# KiCad board leafony-az01c-panelized.kicad_pcb (continued)
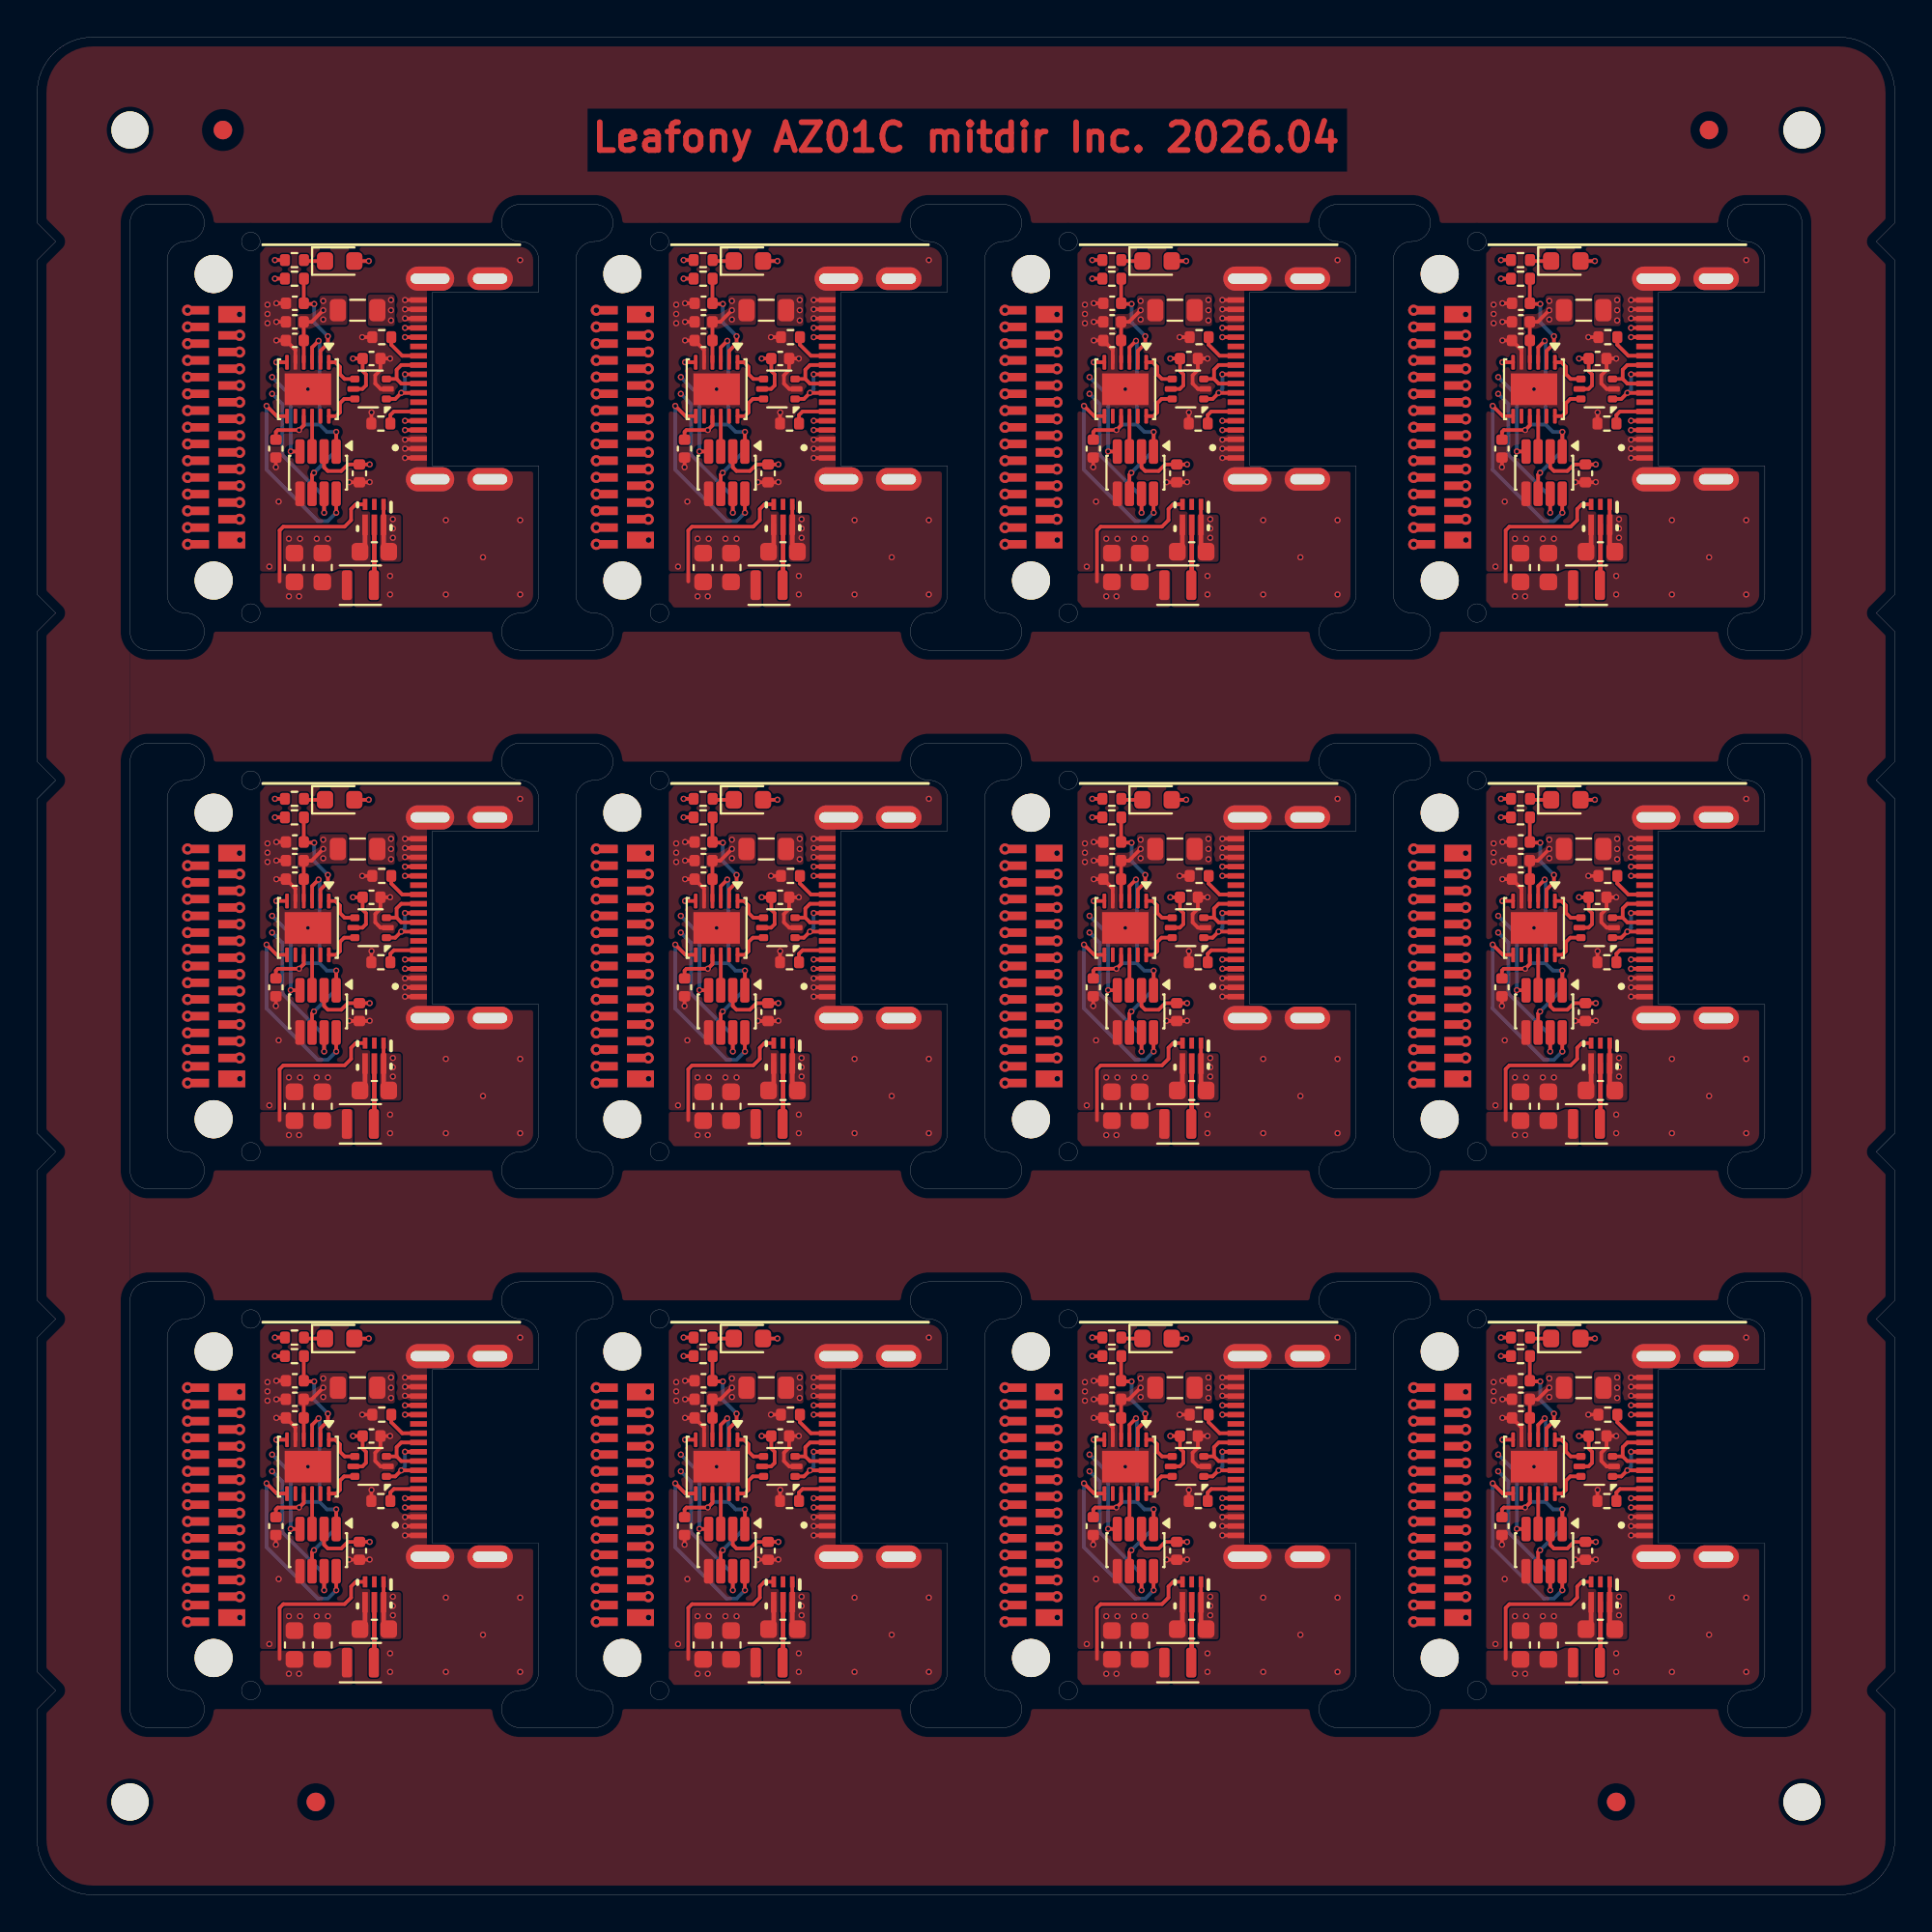
[diagram p0: board, top side]
## Routing (per net, layer and track width the routed paths; a pad name or vN(x,y) marks a point on that pad's centre or on a via; arc(x,y) is an arc through that point) (continued)
Net-(CN1-SCL-PadB25):
  vias: v2(10.9,83.95) v2(10.9,54.95) v2(10.9,25.95) v2(32.9,83.95) v2(32.9,54.95) v2(32.9,25.95) v2(54.9,83.95) v2(54.9,54.95) v2(54.9,25.95) v2(76.9,83.95) v2(76.9,54.95) v2(76.9,25.95)
Net-(CN1-SDA-PadB23):
  vias: v2(10.9,83.05) v2(10.9,54.05) v2(10.9,25.05) v2(32.9,83.05) v2(32.9,54.05) v2(32.9,25.05) v2(54.9,83.05) v2(54.9,54.05) v2(54.9,25.05) v2(76.9,83.05) v2(76.9,54.05) v2(76.9,25.05)
Net-(CN1-SWCLK-PadB29):
  vias: v2(8.1,85.3) v2(8.1,56.3) v2(8.1,27.3) v2(30.1,85.3) v2(30.1,56.3) v2(30.1,27.3) v2(52.1,85.3) v2(52.1,56.3) v2(52.1,27.3) v2(74.1,85.3) v2(74.1,56.3) v2(74.1,27.3)
Net-(CN1-SWDIO-PadB2):
  vias: v2(8.1,72.7) v2(8.1,43.7) v2(8.1,14.7) v2(30.1,72.7) v2(30.1,43.7) v2(30.1,14.7) v2(52.1,72.7) v2(52.1,43.7) v2(52.1,14.7) v2(74.1,72.7) v2(74.1,43.7) v2(74.1,14.7)
Net-(D1-K): length 13.9
  Top w0.2: D1#11.1 58.41,87.95 R2#5.1 ; R2#3.1 80.41,58.95 D1#9.1 ; R2#12.1 36.41,29.95 D1#8.1 ; D1#6.1 14.41,58.95 R2#8.1 ; R2#9.1 36.41,87.95 D1#7.1 ; D1.1 58.41,29.95 R2#6.1 ; R2#4.1 36.41,58.95 D1#3.1 ; D1#10.1 80.41,87.95 R2#7.1 ; D1#12.1 80.41,29.95 R2#10.1 ; D1#2.1 58.41,58.95 R2#11.1 ; D1#5.1 14.41,87.95 R2.1 ; R2#2.1 14.41,29.95 D1#4.1
Net-(J1-CC1): length 24.7
  Top w0.2: J1#9.A5 19.2,79.85 19.01,79.66 R3#9.2 ; J1#2.A5 85.2,21.85 85.01,21.66 R3#10.2 ; R3#2.2 41.01,79.66 41.2,79.85 J1#10.A5 ; R3#3.2 19.01,50.66 19.2,50.85 J1#4.A5 ; J1#7.A5 41.2,50.85 41.01,50.66 R3#6.2 ; J1#11.A5 41.2,21.85 41.01,21.66 R3#8.2 ; J1#3.A5 85.2,79.85 85.01,79.66 R3#7.2 ; J1#8.A5 63.2,50.85 63.01,50.66 R3#4.2 ; R3.2 85.01,50.66 85.2,50.85 J1#6.A5 ; R3#5.2 63.01,79.66 63.2,79.85 J1#5.A5 ; J1.A5 19.2,21.85 19.01,21.66 R3#12.2 ; R3#11.2 63.01,21.66 63.2,21.85 J1#12.A5
Net-(J1-CC2): length 25.5
  Top w0.2: J1#11.B5 41.65,24.85 41.06,25.44 R4#9.1 ; R4#7.1 85.06,83.44 85.65,82.85 J1#3.B5 ; R4#8.1 19.06,83.44 19.65,82.85 J1#9.B5 ; R4#3.1 85.06,54.44 85.65,53.85 J1#6.B5 ; J1#5.B5 63.65,82.85 63.06,83.44 R4.1 ; J1#8.B5 63.65,53.85 63.06,54.44 R4#6.1 ; J1#4.B5 19.65,53.85 19.06,54.44 R4#10.1 ; J1#7.B5 41.65,53.85 41.06,54.44 R4#2.1 ; J1#2.B5 85.65,24.85 85.06,25.44 R4#5.1 ; R4#12.1 19.06,25.44 19.65,24.85 J1.B5 ; R4#4.1 63.06,25.44 63.65,24.85 J1#12.B5 ; R4#11.1 41.06,83.44 41.65,82.85 J1#10.B5
Net-(J1-VBUSA1): length 35
  Top w0.2: J1#10.B9 v1(41.8,79.35) ; J1#12.A9 v1(63.8,26.35) ; J1#5.A9 v1(63.8,84.35) ; J1.A4 v1(19.8,20.85) ; J1#10.A4 v1(41.8,78.85) ; J1#6.B4 v1(85.8,54.85) ; J1.B9 v1(19.8,21.35) ; J1#6.B9 v1(85.8,50.35) ; J1#9.B4 v1(19.8,83.85) ; J1#9.A4 v1(19.8,78.85) ; J1#3.B4 v1(85.8,83.85) ; J1#11.A9 v1(41.8,26.35) ; J1#7.A4 v1(41.8,49.85) ; J1#9.B9 v1(19.8,79.35) ; J1#3.A9 v1(85.8,84.35) ; J1#10.A9 v1(41.8,84.35) ; J1#6.A9 v1(85.8,55.35) ; J1.B4 v1(19.8,25.85) ; J1#2.A9 v1(85.8,26.35) ; J1#4.A9 v1(19.8,55.35) ; J1#2.B9 v1(85.8,21.35) ; J1#12.B9 v1(63.8,21.35) ; J1#5.B9 v1(63.8,79.35) ; J1#3.A4 v1(85.8,78.85) ; J1#6.A4 v1(85.8,49.85) ; J1#12.A4 v1(63.8,20.85) ; J1#11.B4 v1(41.8,25.85) ; J1#11.B9 v1(41.8,21.35) ; J1#8.A4 v1(63.8,49.85) ; J1#2.B4 v1(85.8,25.85) ; J1#7.A9 v1(41.8,55.35) ; J1#5.A4 v1(63.8,78.85) ; J1#5.B4 v1(63.8,83.85) ; J1#8.A9 v1(63.8,55.35) ; J1#4.B9 v1(19.8,50.35) ; J1#12.B4 v1(63.8,25.85) ; J1#11.A4 v1(41.8,20.85) ; J1#8.B9 v1(63.8,50.35) ; J1#8.B4 v1(63.8,54.85) ; J1#9.A9 v1(19.8,84.35) ; J1#3.B9 v1(85.8,79.35) ; J1#7.B9 v1(41.8,50.35) ; J1#4.A4 v1(19.8,49.85) ; J1#7.B4 v1(41.8,54.85) ; J1#4.B4 v1(19.8,54.85) ; J1#2.A4 v1(85.8,20.85) ; J1.A9 v1(19.8,26.35) ; J1#10.B4 v1(41.8,83.85)
  vias: v1(19.05,85.85) v1(19.05,85.3) v1(19.05,84.75) v1(19.05,56.85) v1(19.05,56.3) v1(19.05,55.75) v1(19.05,27.85) v1(19.05,27.3) v1(19.05,26.75) v1(41.05,85.85) v1(41.05,85.3) v1(41.05,84.75) v1(41.05,56.85) v1(41.05,56.3) v1(41.05,55.75) v1(41.05,27.85) v1(41.05,27.3) v1(41.05,26.75) v1(63.05,85.85) v1(63.05,85.3) v1(63.05,84.75) v1(63.05,56.85) v1(63.05,56.3) v1(63.05,55.75) v1(63.05,27.85) v1(63.05,27.3) v1(63.05,26.75) v1(85.05,85.85) v1(85.05,85.3) v1(85.05,84.75) v1(85.05,56.85) v1(85.05,56.3) v1(85.05,55.75) v1(85.05,27.85) v1(85.05,27.3) v1(85.05,26.75)
Net-(U1-NO1): length 130.4
  Top w0.2: U3#9.7 56.9,21.6 v1(56.35,22.15) ; U3#10.7 34.9,79.6 v1(34.35,80.15) ; U1#7.8 60.1,45.4 v1(60.1,45.4) ; U1#3.8 16.1,16.4 v1(16.1,16.4) ; v1(16.1,45.4) 16.1,45.4 U1#11.8 ; v1(78.35,80.15) 78.9,79.6 U3#11.7 ; U1#5.8 82.1,74.4 v1(82.1,74.4) ; U1#10.8 38.1,16.4 v1(38.1,16.4) ; v1(78.35,22.15) 78.9,21.6 U3#6.7 ; v1(82.1,16.4) 82.1,16.4 U1.8 ; v1(56.35,51.15) 56.9,50.6 U3#7.7 ; U1#12.8 82.1,45.4 v1(82.1,45.4) ; v1(34.35,22.15) 34.9,21.6 U3#3.7 ; U3#8.7 34.9,50.6 v1(34.35,51.15) ; v1(60.1,74.4) 60.1,74.4 U1#8.8 ; v1(12.35,22.15) 12.9,21.6 U3#2.7 ; v1(78.35,51.15) 78.9,50.6 U3.7 ; v1(12.35,80.15) 12.9,79.6 U3#5.7 ; U1#2.8 38.1,74.4 v1(38.1,74.4) ; v1(60.1,16.4) 60.1,16.4 U1#6.8 ; v1(16.1,74.4) 16.1,74.4 U1#9.8 ; U3#4.7 56.9,79.6 v1(56.35,80.15) ; v1(12.35,51.15) 12.9,50.6 U3#12.7 ; U1#4.8 38.1,45.4 v1(38.1,45.4)
  Bottom w0.2: v1(34.35,80.15) 34.35,76.71 37.11,73.95 37.65,73.95 v1(38.1,74.4) ; v1(82.1,45.4) 81.65,44.95 81.11,44.95 78.35,47.71 v1(78.35,51.15) ; v1(82.1,16.4) 81.65,15.95 81.11,15.95 78.35,18.71 v1(78.35,22.15) ; v1(16.1,16.4) 15.65,15.95 15.11,15.95 12.35,18.71 v1(12.35,22.15) ; v1(78.35,80.15) 78.35,76.71 81.11,73.95 81.65,73.95 v1(82.1,74.4) ; v1(34.35,51.15) 34.35,47.71 37.11,44.95 37.65,44.95 v1(38.1,45.4) ; v1(60.1,74.4) 59.65,73.95 59.11,73.95 56.35,76.71 v1(56.35,80.15) ; v1(34.35,22.15) 34.35,18.71 37.11,15.95 37.65,15.95 v1(38.1,16.4) ; v1(16.1,45.4) 15.65,44.95 15.11,44.95 12.35,47.71 v1(12.35,51.15) ; v1(56.35,22.15) 56.35,18.71 59.11,15.95 59.65,15.95 v1(60.1,16.4) ; v1(56.35,51.15) 56.35,47.71 59.11,44.95 59.65,44.95 v1(60.1,45.4) ; v1(16.1,74.4) 15.65,73.95 15.11,73.95 12.35,76.71 v1(12.35,80.15)
Net-(U1-NO2): length 22.9
  Top w0.2: U1#5.3 80.8,77.7 U3#11.10 ; U3#9.10 58.8,19.7 U1#6.3 ; U1#9.3 14.8,77.7 U3#5.10 ; U1#3.3 14.8,19.7 U3#2.10 ; U1#2.3 36.8,77.7 U3#10.10 ; U3#12.10 14.8,48.7 U1#11.3 ; U1#10.3 36.8,19.7 U3#3.10 ; U1#8.3 58.8,77.7 U3#4.10 ; U3#7.10 58.8,48.7 U1#7.3 ; U3#6.10 80.8,19.7 U1.3 ; U3#8.10 36.8,48.7 U1#4.3 ; U3.10 80.8,48.7 U1#12.3
Net-(U3-CBUS0): length 94
  Top w0.2: R2#5.2 v1(56.8,88) ; U3#8.6 v1(34.88,53.5) ; R2#2.2 v1(12.8,30) ; R2#9.2 v1(34.8,88) ; U3#11.6 v1(78.88,82.5) ; U3#9.6 v1(56.88,24.5) ; U3#12.6 v1(12.88,53.5) ; U3#7.6 v1(56.88,53.5) ; R2.2 v1(12.8,88) ; R2#3.2 v1(78.8,59) ; U3#6.6 v1(78.88,24.5) ; R2#11.2 v1(56.8,59) ; U3.6 v1(78.88,53.5) ; R2#10.2 v1(78.8,30) ; U3#10.6 v1(34.88,82.5) ; U3#4.6 v1(56.88,82.5) ; R2#6.2 v1(56.8,30) ; U3#5.6 v1(12.88,82.5) ; R2#8.2 v1(12.8,59) ; R2#4.2 v1(34.8,59) ; R2#7.2 v1(78.8,88) ; U3#2.6 v1(12.88,24.5) ; U3#3.6 v1(34.88,24.5) ; R2#12.2 v1(34.8,30)
  In2.Cu w0.2: v1(56.8,59) 55.7,57.9 55.7,54.2 56.4,53.5 v1(56.88,53.5) ; v1(12.8,88) 11.7,86.9 11.7,83.2 12.4,82.5 v1(12.88,82.5) ; v1(12.88,24.5) 12.4,24.5 11.7,25.2 11.7,28.9 v1(12.8,30) ; v1(34.88,24.5) 34.4,24.5 33.7,25.2 33.7,28.9 v1(34.8,30) ; v1(34.8,88) 33.7,86.9 33.7,83.2 34.4,82.5 v1(34.88,82.5) ; v1(78.88,24.5) 78.4,24.5 77.7,25.2 77.7,28.9 v1(78.8,30) ; v1(56.88,82.5) 56.4,82.5 55.7,83.2 55.7,86.9 v1(56.8,88) ; v1(78.88,53.5) 78.4,53.5 77.7,54.2 77.7,57.9 v1(78.8,59) ; v1(78.8,88) 77.7,86.9 77.7,83.2 78.4,82.5 v1(78.88,82.5) ; v1(56.8,30) 55.7,28.9 55.7,25.2 56.4,24.5 v1(56.88,24.5) ; v1(34.8,59) 33.7,57.9 33.7,54.2 34.4,53.5 v1(34.88,53.5) ; v1(12.8,59) 11.7,57.9 11.7,54.2 12.4,53.5 v1(12.88,53.5)
Net-(U3-USBDM): length 24.1
  Top w0.2: U2#7.4 16.55,23.6 16.3,23.85 16.3,24.25 16.05,24.5 U3#2.1 ; U3#4.1 60.05,82.5 60.3,82.25 60.3,81.85 60.55,81.6 U2#5.4 ; U2#10.4 60.55,23.6 60.3,23.85 60.3,24.25 60.05,24.5 U3#9.1 ; U2#6.4 38.55,23.6 38.3,23.85 38.3,24.25 38.05,24.5 U3#3.1 ; U3#5.1 16.05,82.5 16.3,82.25 16.3,81.85 16.55,81.6 U2#9.4 ; U3.1 82.05,53.5 82.3,53.25 82.3,52.85 82.55,52.6 U2.4 ; U3#6.1 82.05,24.5 82.3,24.25 82.3,23.85 82.55,23.6 U2#11.4 ; U2#8.4 82.55,81.6 82.3,81.85 82.3,82.25 82.05,82.5 U3#11.1 ; U3#8.1 38.05,53.5 38.3,53.25 38.3,52.85 38.55,52.6 U2#12.4 ; U3#7.1 60.05,53.5 60.3,53.25 60.3,52.85 60.55,52.6 U2#4.4 ; U3#10.1 38.05,82.5 38.3,82.25 38.3,81.85 38.55,81.6 U2#2.4 ; U3#12.1 16.05,53.5 16.3,53.25 16.3,52.85 16.55,52.6 U2#3.4
Net-(U3-USBDP): length 24.9
  Top w0.2: U3#11.12 82.1,79.6 82.3,79.8 82.3,80.3 82.53,80.53 U2#8.6 ; U3#3.12 38.1,21.6 38.3,21.8 38.3,22.3 38.52,22.53 U2#6.6 ; U2#9.6 16.52,80.53 16.3,80.3 16.3,79.8 16.1,79.6 U3#5.12 ; U2#12.6 38.52,51.53 38.3,51.3 38.3,50.8 38.1,50.6 U3#8.12 ; U2#4.6 60.53,51.53 60.3,51.3 60.3,50.8 60.1,50.6 U3#7.12 ; U2#2.6 38.52,80.53 38.3,80.3 38.3,79.8 38.1,79.6 U3#10.12 ; U3#2.12 16.1,21.6 16.3,21.8 16.3,22.3 16.52,22.53 U2#7.6 ; U2#5.6 60.53,80.53 60.3,80.3 60.3,79.8 60.1,79.6 U3#4.12 ; U2#10.6 60.53,22.53 60.3,22.3 60.3,21.8 60.1,21.6 U3#9.12 ; U3#6.12 82.1,21.6 82.3,21.8 82.3,22.3 82.53,22.53 U2#11.6 ; U2#3.6 16.52,51.53 16.3,51.3 16.3,50.8 16.1,50.6 U3#12.12 ; U2.6 82.53,51.53 82.3,51.3 82.3,50.8 82.1,50.6 U3.12
Net-(U3-~{RESET}): length 66.2
  Top w0.2: v1(59.65,25.9) 59.65,25.51 59.25,25.11 U3#9.2 ; v1(14.91,85.64) 14.39,85.64 C6#2.2 14.35,86.99 R1#11.2 ; U3#10.2 37.25,83.11 37.65,83.51 v1(37.65,83.9) ; v1(37.65,54.9) 37.65,54.51 37.25,54.11 U3#8.2 ; R1#9.2 58.35,28.99 C6#11.2 58.39,27.64 v1(58.91,27.64) ; U3#11.2 81.25,83.11 81.65,83.51 v1(81.65,83.9) ; v1(59.65,54.9) 59.65,54.51 59.25,54.11 U3#7.2 ; v1(58.91,56.64) 58.39,56.64 C6#3.2 58.35,57.99 R1#7.2 ; v1(36.91,56.64) 36.39,56.64 C6.2 36.35,57.99 R1#6.2 ; v1(80.91,56.64) 80.39,56.64 C6#5.2 80.35,57.99 R1#2.2 ; R1#4.2 36.35,86.99 C6#12.2 36.39,85.64 v1(36.91,85.64) ; U3#6.2 81.25,25.11 81.65,25.51 v1(81.65,25.9) ; U3#12.2 15.25,54.11 15.65,54.51 v1(15.65,54.9) ; v1(15.65,83.9) 15.65,83.51 15.25,83.11 U3#5.2 ; v1(59.65,83.9) 59.65,83.51 59.25,83.11 U3#4.2 ; v1(80.91,85.64) 80.39,85.64 C6#10.2 80.35,86.99 R1.2 ; R1#5.2 80.35,28.99 C6#6.2 80.39,27.64 v1(80.91,27.64) ; v1(37.65,25.9) 37.65,25.51 37.25,25.11 U3#3.2 ; v1(14.91,56.64) 14.39,56.64 C6#9.2 14.35,57.99 R1#10.2 ; v1(15.65,25.9) 15.65,25.51 15.25,25.11 U3#2.2 ; R1#3.2 58.35,86.99 C6#7.2 58.39,85.64 v1(58.91,85.64) ; v1(14.91,27.64) 14.39,27.64 C6#8.2 14.35,28.99 R1#8.2 ; v1(36.91,27.64) 36.39,27.64 C6#4.2 36.35,28.99 R1#12.2 ; U3.2 81.25,54.11 81.65,54.51 v1(81.65,54.9)
  Bottom w0.2: v1(37.65,25.9) 36.91,26.64 v1(36.91,27.64) ; v1(37.65,54.9) 36.91,55.64 v1(36.91,56.64) ; v1(59.65,54.9) 58.91,55.64 v1(58.91,56.64) ; v1(81.65,54.9) 80.91,55.64 v1(80.91,56.64) ; v1(14.91,85.64) 14.91,84.64 v1(15.65,83.9) ; v1(81.65,83.9) 80.91,84.64 v1(80.91,85.64) ; v1(15.65,25.9) 14.91,26.64 v1(14.91,27.64) ; v1(59.65,25.9) 58.91,26.64 v1(58.91,27.64) ; v1(58.91,85.64) 58.91,84.64 v1(59.65,83.9) ; v1(14.91,56.64) 14.91,55.64 v1(15.65,54.9) ; v1(81.65,25.9) 80.91,26.64 v1(80.91,27.64) ; v1(37.65,83.9) 36.91,84.64 v1(36.91,85.64)
Net-(U4-SW): length 39.1
  Top w0.254: U4#7.5 18.15,12.52 L1#4.1 ; L1#8.1 62.15,41.52 U4#9.5 ; L1#12.1 18.15,70.52 U4#4.5 ; L1#3.1 18.15,41.52 U4#2.5 ; U4#5.5 84.15,70.52 L1#2.1 ; L1#11.1 62.15,70.52 U4#10.5 ; U4#11.5 40.15,12.52 L1#6.1 ; L1#10.1 62.15,12.52 U4#12.5 ; L1#9.1 84.15,41.52 U4#8.5 ; U4.5 40.15,70.52 L1#5.1 ; L1#7.1 40.15,41.52 U4#3.5 ; L1.1 84.15,12.52 U4#6.5

## Copper pours and planes (outline as drawn; the poured copper is in the pictures)
+3V3 on Top: 61,13.3 60.25,13.3 59.9,13.15 56,13.15 56,11 61,11
+3V3 on Top: 61,71.3 60.25,71.3 59.9,71.15 56,71.15 56,69 61,69
+3V3 on Top: 17,13.3 16.25,13.3 15.9,13.15 12,13.15 12,11 17,11
+3V3 on Top: 39,42.3 38.25,42.3 37.9,42.15 34,42.15 34,40 39,40
+3V3 on Top: 61,42.3 60.25,42.3 59.9,42.15 56,42.15 56,40 61,40
+3V3 on Top: 83,71.3 82.25,71.3 81.9,71.15 78,71.15 78,69 83,69
+3V3 on Top: 17,42.3 16.25,42.3 15.9,42.15 12,42.15 12,40 17,40
+3V3 on Top: 39,71.3 38.25,71.3 37.9,71.15 34,71.15 34,69 39,69
+3V3 on Top: 83,13.3 82.25,13.3 81.9,13.15 78,13.15 78,11 83,11
+3V3 on Top: 83,42.3 82.25,42.3 81.9,42.15 78,42.15 78,40 83,40
+3V3 on Top: 17,71.3 16.25,71.3 15.9,71.15 12,71.15 12,69 17,69
+3V3 on Top: 39,13.3 38.25,13.3 37.9,13.15 34,13.15 34,11 39,11
+3V3 on In2.Cu: 78,40 93,40 93,60 78,60
+3V3 on In2.Cu: 78,69 93,69 93,89 78,89
+3V3 on In2.Cu: 56,40 71,40 71,60 56,60
+3V3 on In2.Cu: 12,69 27,69 27,89 12,89
+3V3 on In2.Cu: 56,11 71,11 71,31 56,31
+3V3 on In2.Cu: 34,40 49,40 49,60 34,60
+3V3 on In2.Cu: 12,40 27,40 27,60 12,60
+3V3 on In2.Cu: 12,11 27,11 27,31 12,31
+3V3 on In2.Cu: 78,11 93,11 93,31 78,31
+3V3 on In2.Cu: 34,11 49,11 49,31 34,31
+3V3 on In2.Cu: 34,69 49,69 49,89 34,89
+3V3 on In2.Cu: 56,69 71,69 71,89 56,89
GND on Top, Bottom, In1.Cu: 56,11 71,11 71,31 56,31
GND on Top, Bottom, In1.Cu: 56,69 71,69 71,89 56,89
GND on Top, Bottom, In1.Cu: 78,40 93,40 93,60 78,60
GND on Top, Bottom, In1.Cu: 34,40 49,40 49,60 34,60
GND on Top, Bottom, In1.Cu: 34,69 49,69 49,89 34,89
GND on Top, Bottom, In1.Cu: 56,40 71,40 71,60 56,60
GND on Top, Bottom, In1.Cu: 34,11 49,11 49,31 34,31
GND on Top, Bottom, In1.Cu: 12,69 27,69 27,89 12,89
GND on Top, Bottom, In1.Cu: 78,11 93,11 93,31 78,31
GND on Top, Bottom, In1.Cu: 12,11 27,11 27,31 12,31
GND on Top, Bottom, In1.Cu: 78,69 93,69 93,89 78,89
GND on Top, Bottom, In1.Cu: 12,40 27,40 27,60 12,60
GND on In2.Cu: 84.8,57.25 93,57.25 93,60 84.8,60
GND on In2.Cu: 62.8,28.25 71,28.25 71,31 62.8,31
GND on In2.Cu: 18.8,28.25 27,28.25 27,31 18.8,31
GND on In2.Cu: 62.8,57.25 71,57.25 71,60 62.8,60
GND on In2.Cu: 62.8,86.25 71,86.25 71,89 62.8,89
GND on In2.Cu: 40.8,57.25 49,57.25 49,60 40.8,60
GND on In2.Cu: 40.8,28.25 49,28.25 49,31 40.8,31
GND on In2.Cu: 40.8,86.25 49,86.25 49,89 40.8,89
GND on In2.Cu: 84.8,86.25 93,86.25 93,89 84.8,89
GND on In2.Cu: 84.8,28.25 93,28.25 93,31 84.8,31
GND on In2.Cu: 18.8,57.25 27,57.25 27,60 18.8,60
GND on In2.Cu: 18.8,86.25 27,86.25 27,89 18.8,89
VBUS on Top: 62.5,45.3 63.6,45.3 63.6,42.75 62.45,42.75 62.45,45.25
VBUS on Top: 15.2,26.5 16.7,26.5 16.7,28.1 15.2,28.1
VBUS on Top: 62.5,74.3 63.6,74.3 63.6,71.75 62.45,71.75 62.45,74.25
VBUS on Top: 84.5,45.3 85.6,45.3 85.6,42.75 84.45,42.75 84.45,45.25
VBUS on Top: 59.2,84.5 60.7,84.5 60.7,86.1 59.2,86.1
VBUS on Top: 40.5,16.3 41.6,16.3 41.6,13.75 40.45,13.75 40.45,16.25
VBUS on Top: 15.2,84.5 16.7,84.5 16.7,86.1 15.2,86.1
VBUS on Top: 84.5,16.3 85.6,16.3 85.6,13.75 84.45,13.75 84.45,16.25
VBUS on Top: 81.2,26.5 82.7,26.5 82.7,28.1 81.2,28.1
VBUS on Top: 36,26.3 36.7,26.3 37.2,26.5 37.2,27.4 36.7,27.1 36,27.1
VBUS on Top: 18.5,45.3 19.6,45.3 19.6,42.75 18.45,42.75 18.45,45.25
VBUS on Top: 62.5,16.3 63.6,16.3 63.6,13.75 62.45,13.75 62.45,16.25
VBUS on Top: 14,84.3 14.7,84.3 15.2,84.5 15.2,85.4 14.7,85.1 14,85.1
VBUS on Top: 40.5,45.3 41.6,45.3 41.6,42.75 40.45,42.75 40.45,45.25
VBUS on Top: 58,84.3 58.7,84.3 59.2,84.5 59.2,85.4 58.7,85.1 58,85.1
VBUS on Top: 18.5,16.3 19.6,16.3 19.6,13.75 18.45,13.75 18.45,16.25
VBUS on Top: 18.5,74.3 19.6,74.3 19.6,71.75 18.45,71.75 18.45,74.25
VBUS on Top: 14,26.3 14.7,26.3 15.2,26.5 15.2,27.4 14.7,27.1 14,27.1
VBUS on Top: 59.2,26.5 60.7,26.5 60.7,28.1 59.2,28.1
VBUS on Top: 40.5,74.3 41.6,74.3 41.6,71.75 40.45,71.75 40.45,74.25
VBUS on Top: 58,26.3 58.7,26.3 59.2,26.5 59.2,27.4 58.7,27.1 58,27.1
VBUS on Top: 80,84.3 80.7,84.3 81.2,84.5 81.2,85.4 80.7,85.1 80,85.1
VBUS on Top: 36,84.3 36.7,84.3 37.2,84.5 37.2,85.4 36.7,85.1 36,85.1
VBUS on Top: 81.2,84.5 82.7,84.5 82.7,86.1 81.2,86.1
VBUS on Top: 37.2,55.5 38.7,55.5 38.7,57.1 37.2,57.1
VBUS on Top: 84.5,74.3 85.6,74.3 85.6,71.75 84.45,71.75 84.45,74.25
VBUS on Top: 80,55.3 80.7,55.3 81.2,55.5 81.2,56.4 80.7,56.1 80,56.1
VBUS on Top: 80,26.3 80.7,26.3 81.2,26.5 81.2,27.4 80.7,27.1 80,27.1
VBUS on Top: 37.2,84.5 38.7,84.5 38.7,86.1 37.2,86.1
VBUS on Top: 14,55.3 14.7,55.3 15.2,55.5 15.2,56.4 14.7,56.1 14,56.1
VBUS on Top: 15.2,55.5 16.7,55.5 16.7,57.1 15.2,57.1
VBUS on Top: 59.2,55.5 60.7,55.5 60.7,57.1 59.2,57.1
VBUS on Top: 58,55.3 58.7,55.3 59.2,55.5 59.2,56.4 58.7,56.1 58,56.1
VBUS on Top: 81.2,55.5 82.7,55.5 82.7,57.1 81.2,57.1
VBUS on Top: 37.2,26.5 38.7,26.5 38.7,28.1 37.2,28.1
VBUS on Top: 36,55.3 36.7,55.3 37.2,55.5 37.2,56.4 36.7,56.1 36,56.1
VBUS on In2.Cu: 12,20.9 18.8,20.9 18.8,31 12,31
VBUS on In2.Cu: 78,20.9 84.8,20.9 84.8,31 78,31
VBUS on In2.Cu: 12,78.9 18.8,78.9 18.8,89 12,89
VBUS on In2.Cu: 34,49.9 40.8,49.9 40.8,60 34,60
VBUS on In2.Cu: 34,78.9 40.8,78.9 40.8,89 34,89
VBUS on In2.Cu: 12,49.9 18.8,49.9 18.8,60 12,60
VBUS on In2.Cu: 78,49.9 84.8,49.9 84.8,60 78,60
VBUS on In2.Cu: 56,49.9 62.8,49.9 62.8,60 56,60
VBUS on In2.Cu: 56,78.9 62.8,78.9 62.8,89 56,89
VBUS on In2.Cu: 56,20.9 62.8,20.9 62.8,31 56,31
VBUS on In2.Cu: 78,78.9 84.8,78.9 84.8,89 78,89
VBUS on In2.Cu: 34,20.9 40.8,20.9 40.8,31 34,31
(no net) on Top, Bottom, In1.Cu, In2.Cu: 0,100 0,0 100,0 100,90 95,90 95,10 5,10 5,90 100,90 100,100
(no net) on Top, Bottom, In1.Cu, In2.Cu: 5,68 5,61 95,61 95,68
(no net) on Top, Bottom, In1.Cu, In2.Cu: 95,39 5,39 5,32 95,32
Net-(J1-VBUSA1) on Top: 17.8,84.45 19.25,84.45 19.25,86.15 17.8,86.15
Net-(J1-VBUSA1) on Top: 61.8,26.45 63.25,26.45 63.25,28.15 61.8,28.15
Net-(J1-VBUSA1) on Top: 17.8,26.45 19.25,26.45 19.25,28.15 17.8,28.15
Net-(J1-VBUSA1) on Top: 83.8,26.45 85.25,26.45 85.25,28.15 83.8,28.15
Net-(J1-VBUSA1) on Top: 61.8,84.45 63.25,84.45 63.25,86.15 61.8,86.15
Net-(J1-VBUSA1) on Top: 39.8,84.45 41.25,84.45 41.25,86.15 39.8,86.15
Net-(J1-VBUSA1) on Top: 83.8,84.45 85.25,84.45 85.25,86.15 83.8,86.15
Net-(J1-VBUSA1) on Top: 17.8,55.45 19.25,55.45 19.25,57.15 17.8,57.15
Net-(J1-VBUSA1) on Top: 83.8,55.45 85.25,55.45 85.25,57.15 83.8,57.15
Net-(J1-VBUSA1) on Top: 39.8,55.45 41.25,55.45 41.25,57.15 39.8,57.15
Net-(J1-VBUSA1) on Top: 39.8,26.45 41.25,26.45 41.25,28.15 39.8,28.15
Net-(J1-VBUSA1) on Top: 61.8,55.45 63.25,55.45 63.25,57.15 61.8,57.15
Net-(J1-VBUSA1) on In2.Cu: 86.78,20.6 86.78,28.25 84.8,28.25 84.8,20.6
Net-(J1-VBUSA1) on In2.Cu: 20.77,20.6 20.77,28.25 18.8,28.25 18.8,20.6
Net-(J1-VBUSA1) on In2.Cu: 20.77,49.6 20.77,57.25 18.8,57.25 18.8,49.6
Net-(J1-VBUSA1) on In2.Cu: 20.77,78.6 20.77,86.25 18.8,86.25 18.8,78.6
Net-(J1-VBUSA1) on In2.Cu: 64.78,49.6 64.78,57.25 62.8,57.25 62.8,49.6
Net-(J1-VBUSA1) on In2.Cu: 42.78,20.6 42.78,28.25 40.8,28.25 40.8,20.6
Net-(J1-VBUSA1) on In2.Cu: 42.78,78.6 42.78,86.25 40.8,86.25 40.8,78.6
Net-(J1-VBUSA1) on In2.Cu: 42.78,49.6 42.78,57.25 40.8,57.25 40.8,49.6
Net-(J1-VBUSA1) on In2.Cu: 64.78,78.6 64.78,86.25 62.8,86.25 62.8,78.6
Net-(J1-VBUSA1) on In2.Cu: 86.78,49.6 86.78,57.25 84.8,57.25 84.8,49.6
Net-(J1-VBUSA1) on In2.Cu: 86.78,78.6 86.78,86.25 84.8,86.25 84.8,78.6
Net-(J1-VBUSA1) on In2.Cu: 64.78,20.6 64.78,28.25 62.8,28.25 62.8,20.6

Small or netless copper shapes (teardrops, artwork), in the pictures only: 24 on In2.Cu

## Text on the board
B.Silkscreen: Leafony / AZ01C | V-CUT
Top: Leafony AZ01C mitdir Inc. 2026.04
